# Altium PCB MS-002.23T003升降控制板PCB图 V1.0.PcbDoc (part 1 of 2)
Units mil, origin at the board's own origin, x right, y up, seen from the top; angles counter-clockwise.
Board outline 7874.02 x 3937.01 mil, 2 copper layers (Top Layer, Bottom Layer); 186 components, 113 nets, 593 pads, 363 vias.
Unrouted connection lines stored in the file: 7.
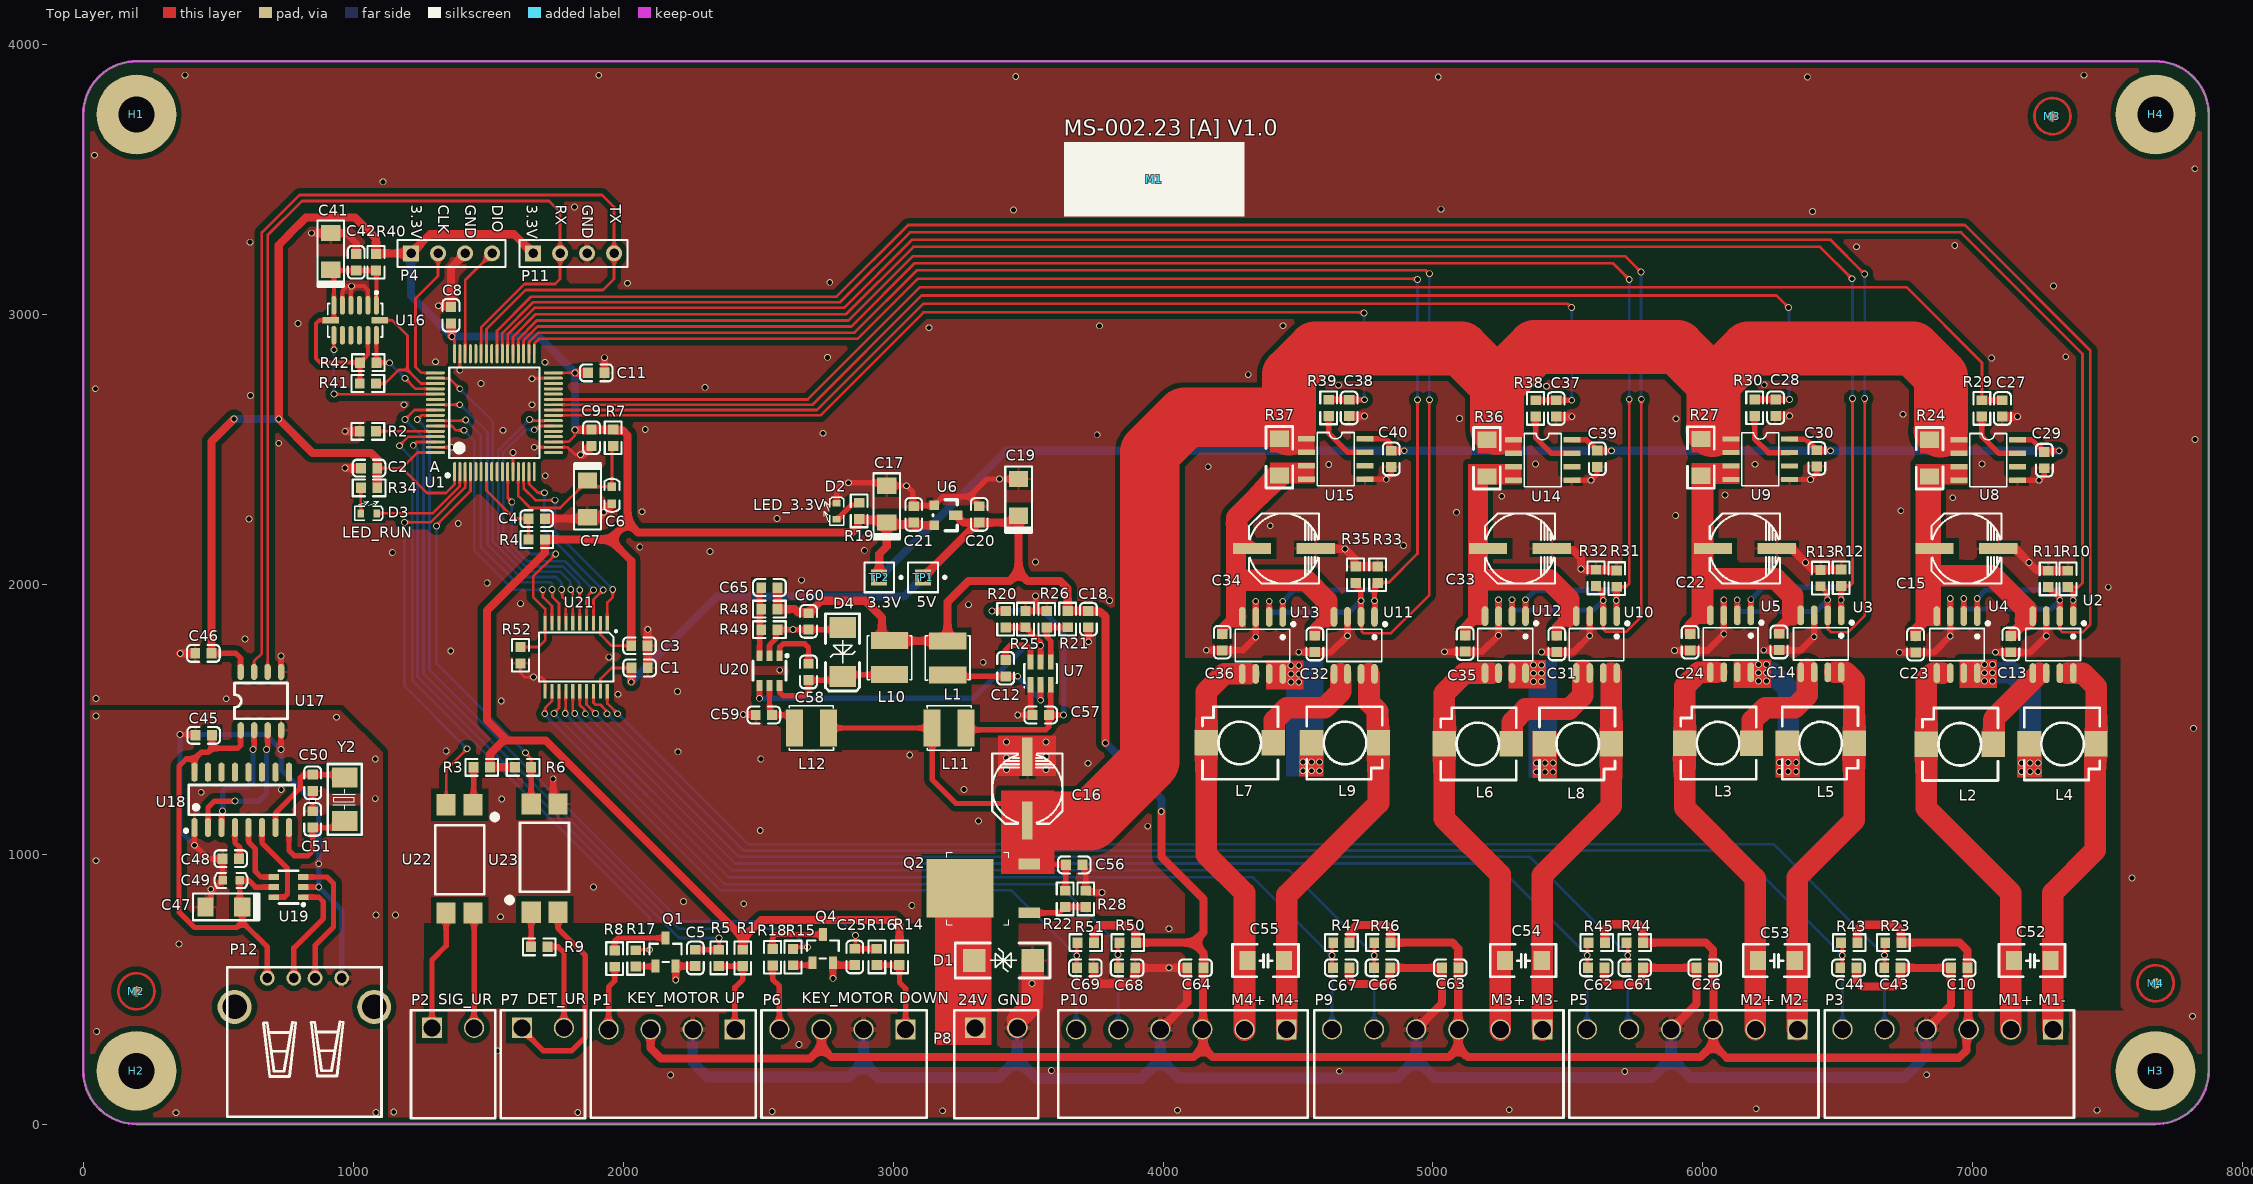
[diagram p0: Top Layer view]
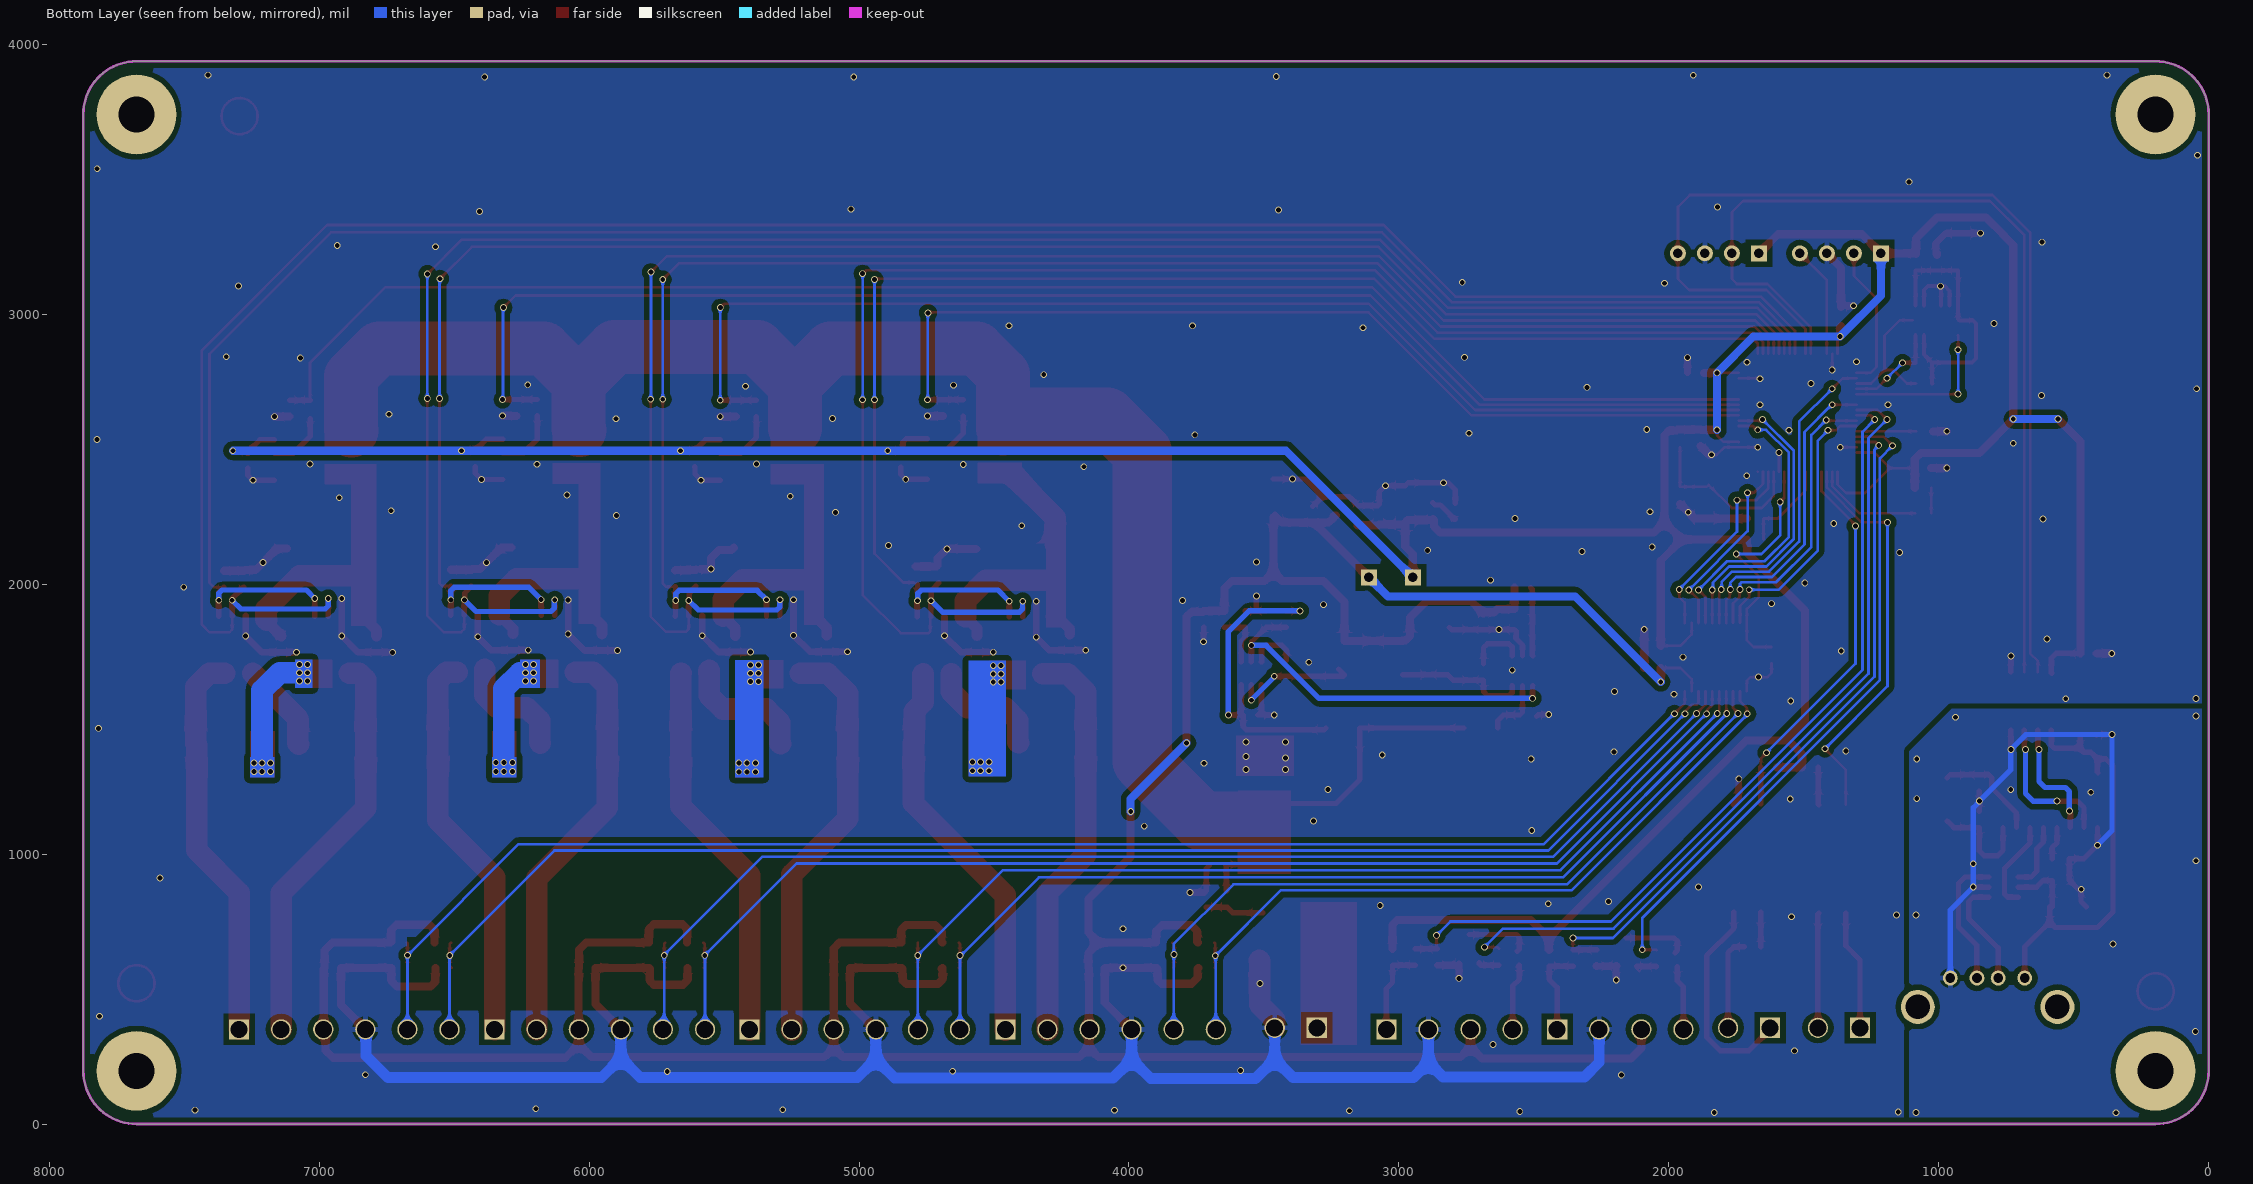
[diagram p1: Bottom Layer view, seen from below]
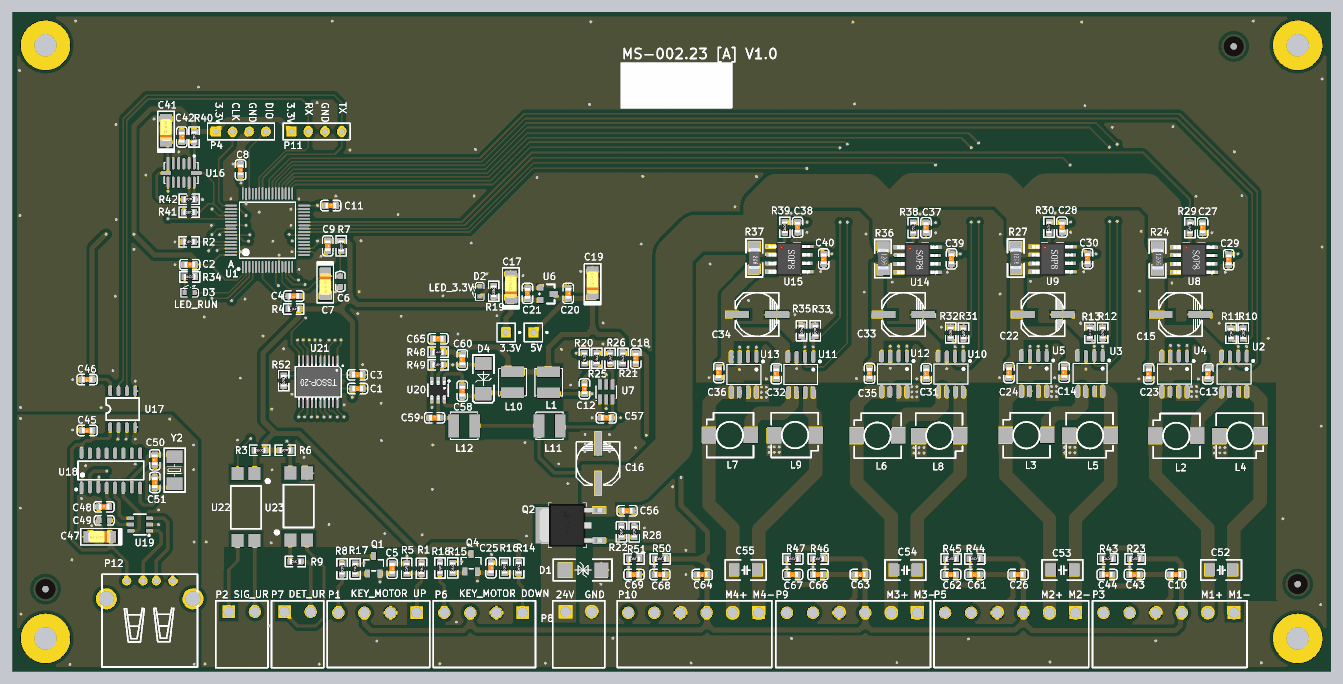
[diagram p3: 3D render of the assembled board from above, using the file's embedded part models]

## Layer stack, top to bottom
Top Solder: solder mask 0.4, Solder Resist, Dk 3.5
Top Layer: signal copper 1.4
Dielectric 1: dielectric 12.6, FR-4, Dk 4.8
Bottom Layer: signal copper 1.4
Bottom Solder: solder mask 0.4, Solder Resist, Dk 3.5

## Board outline
0,196.85 0,3740.16 cw(c196.85,3740.16) 196.85,3937.01 7677.17,3937.01 cw(c7677.17,3740.16) 7874.02,3740.16 7874.02,196.85 cw(c7677.17,196.85) 7677.17,0 196.85,0 cw(c196.85,196.85)

## Design rules (kind name [scope] priority, off if disabled: settings)
Clearance Polygon [InPolygon] p1: gap=20 ignorepadtopadclearanceinfootprint=TRUE
Clearance total [All] p2: gap=8 ignorepadtopadclearanceinfootprint=TRUE
HoleSize [All] p1: absolutevalues=TRUE maxlimit=200 minlimit=0 maxpercent=80.000 minpercent=20.000
HoleToHoleClearance [All] p1: gap=8 allowstackedmicrovias=TRUE
MinimumSolderMaskSliver [All] p1: minsoldermaskwidth=0
PolygonConnect [All] p1: thpad.connectstyle=Relief thpad.reliefconductorwidth=20 thpad.reliefentries=4 thpad.polygonreliefangle="90 Angle" thpad.airgapwidth=10 smdpad.connectstyle=Relief smdpad.reliefconductorwidth=10 smdpad.reliefentries=4 smdpad.polygonreliefangle="90 Angle" smdpad.airgapwidth=10 via.connectstyle=Direct via.reliefconductorwidth=20 via.reliefentries=4 via.polygonreliefangle="90 Angle" via.airgapwidth=10
RoomDefinition MS-002.23.1.0-3-1 [InComponentClass('MS-002.23.1.0-3-1')] p1: confinementstyle=ConfineOut formatcopy=TRUE lockcomponents=FALSE outline 8096.98,2702.5 8986.79,2702.5 8986.79,3007.9 8096.98,3007.9
RoomDefinition MS-002.23.1.0-2 [InComponentClass('MS-002.23.1.0-2')] p2: confinementstyle=ConfineOut formatcopy=TRUE lockcomponents=FALSE outline 8099.11,3023.94 8987.41,3023.94 8987.41,3330.73 8099.11,3330.73
RoomDefinition MS-002.23.1.0-1 [InComponentClass('MS-002.23.1.0-1')] p3: confinementstyle=ConfineOut formatcopy=TRUE lockcomponents=FALSE outline 8099.12,3346.95 8986.42,3346.95 8986.42,3653.44 8099.12,3653.44
RoomDefinition MS-002.23.1.0-4 [InComponentClass('MS-002.23.1.0-4')] p4: confinementstyle=ConfineOut formatcopy=TRUE lockcomponents=FALSE outline 8096.31,2061.7 8990.98,2061.7 8990.98,2368.35 8096.31,2368.35
RoomDefinition MS-002.23.1.0-3-2 [InComponentClass('MS-002.23.1.0-3-2')] p5: confinementstyle=ConfineOut formatcopy=TRUE lockcomponents=FALSE outline 8095.04,2379.03 8988.83,2379.03 8988.83,2685.13 8095.04,2685.13
RoutingVias [All] p1: holewidth=18 width=25 viastyle="Through Hole" minholewidth=12 minwidth=20 maxholewidth=28 maxwidth=50
SilkToSilkClearance [All] p1: silktosilkclearance=0
SilkToSolderMaskClearance [IsPad] p1: minsilkscreentomaskgap=0 clearancetoexposedcopper=TRUE
SolderMaskExpansion VIA [IsVia] p1: expansion=4 istentingtop=TRUE
SolderMaskExpansion [All] p2: expansion=4 istentingtop=FALSE
Width [All] p1: maxlimit=300 minlimit=10 preferedwidth=30 minimp=50.000000 maximp=50.000000 favimp=50.000000
25 further rules are at their usual default settings.

## Classes and differential pairs
component class MS-002.23.1.0-3-2: C10 C26 C31 C32 C33 C34 C35 C36 C37 C38 C39 C40 C54 C55 C66 C67 C68 C69 L6 L7 L8 L9 P9 P10 R31 R32 R33 R35 R36 R37 R38 R39 R46 R47 R50 R51 U10 U11 U12 U13 U14 U15
component class MS-002.23.1.0-4: C1 C2 C3 C4 C6 C7 C8 C9 C11 C41 C42 D3 P4 P11 R2 R4 R7 R34 R40 R41 R42 R52 U1 U16 U21
component class MS-002.23.1.0-2: C5 C25 P1 P2 P6 P7 Q1 Q4 R1 R3 R5 R6 R8 R9 R14 R15 R16 R17 R18 U22 U23
component class MS-002.23.1.0-1: C12 C16 C17 C18 C19 C20 C21 C45 C46 C47 C48 C49 C50 C51 C56 C57 C58 C59 C60 C65 D1 D2 D4 H1 H2 H3 H4 L1 L10 L11 L12 M1 M2 M3 M4 P8 P12 Q2 R19 R20 R21 R22 R25 R26 R28 R48 R49 TP1 TP2 U6 U7 U17 U18 U19 U20 Y2
component class MS-002.23.1.0-3-1: C13 C14 C15 C22 C23 C24 C27 C28 C29 C30 C43 C44 C52 C53 C61 C62 C63 C64 L2 L3 L4 L5 P3 P5 R10 R11 R12 R13 R23 R24 R27 R29 R30 R43 R44 R45 U2 U3 U4 U5 U8 U9

## Components (designator, comment, footprint, x,y, rotation, side; value= is the part's Value field where it differs from the comment)
C1 "0.1uF" LC-0603_C 2060.86,1689.61 r180 top
C2 "0.1uF" LC-0603_C 1058.6,2429.82 r0 top
C3 "0.1uF" LC-0603_C 2060.39,1771.81 r180 top
C4 "0.1uF" LC-0603_C 1679.52,2242.53 r180 top
C5 "0.1uF" LC-0603_C 2267.48,615.06 r270 top
C6 "0.1uF" "0603 cap 1.66mm" 1958.38,2329.11 r270 top
C7 "10uF/16V" CASE-A_3216 1868.19,2315.83 r270 top
C8 "0.1uF" LC-0603_C 1362.24,2996.14 r270 top
C9 "0.1uF" LC-0603_C 1882.92,2542.3 r270 top
C10 "0.1uF" LC-0603_C 6949.74,578.56 r180 top
C11 "0.1uF" LC-0603_C 1900.74,2782.68 r0 top
C12 "0.1uF" LC-0603_C 3416.82,1688.37 r270 top
C13 "0.1uF" LC-0603_C 7140.76,1777.78 r90 top
C14 "0.1uF" LC-0603_C 6282.25,1785.8 r90 top
C15 "100uF/35V" "CAP 6.6×6.6" 6976.56,2131.87 r180 top
C16 "100uF/35V" "CAP 6.6×6.6" 3497.49,1242.26 r270 top
C17 "10uF/16V" CASE-A_3216 2976.63,2296.68 r90 top
C18 "0.1uF" LC-0603_C 3723.64,1870.46 r90 top
C19 "10uF/16V" CASE-A_3216 3465.03,2321.41 r90 top
C20 "0.1uF" LC-0603_C 3319.39,2258.31 r270 top
C21 "0.1uF" LC-0603_C 3076.52,2258.31 r270 top
C22 "100uF/35V" "CAP 6.6×6.6" 6155.34,2131.87 r180 top
C23 "0.1uF" LC-0603_C 6787.9,1777.66 r90 top
C24 "0.1uF" LC-0603_C 5952.81,1784.86 r90 top
C25 "0.1uF" LC-0603_C 2858.04,618.75 r270 top
C26 "0.1uF" LC-0603_C 6006.94,578.56 r180 top
C27 "0.1nF" LC-0603_C 7109.79,2650.88 r90 top value=0.1uF
C28 "0.1nF" LC-0603_C 6269.27,2653.72 r90 top value=0.1uF
C29 "0.1uF" LC-0603_C 7265.05,2459.48 r90 top
C30 "0.1uF" LC-0603_C 6422.07,2465.68 r90 top
C31 "0.1uF" LC-0603_C 5458.95,1778.46 r90 top
C32 "0.1uF" LC-0603_C 4562.73,1778.32 r90 top
C33 "100uF/35V" "CAP 6.6×6.6" 5322.19,2131.87 r180 top
C34 "100uF/35V" "CAP 6.6×6.6" 4448.05,2131.87 r180 top
C35 "0.1uF" LC-0603_C 5119.42,1780.06 r90 top
C36 "0.1uF" LC-0603_C 4219.38,1785.17 r90 top
C37 "0.1nF" LC-0603_C 5456.7,2650.88 r90 top value=0.1uF
C38 "0.1nF" LC-0603_C 4689.58,2652.93 r90 top value=0.1uF
C39 "0.1uF" LC-0603_C 5608.96,2464.75 r90 top
C40 "0.1uF" LC-0603_C 4845.55,2463.84 r90 top
C41 "10uF/16V" CASE-A_3216 916.93,3232.39 r90 top
C42 "0.1uF" LC-0603_C 1010.95,3192.28 r270 top
C43 "1nF" LC-0603_C 6702.32,578.56 r180 top
C44 "1nF" LC-0603_C 6539.11,578.56 r180 top
C45 "0.1uF" LC-0603_C 446.14,1439.82 r180 top
C46 "0.1uF" LC-0603_C 445.11,1743.37 r180 top
C47 "10uF/16V" CASE-A_3216 521.01,804.25 r180 top
C48 "0.1uF" LC-0603_C 546.33,982.85 r0 top
C49 "0.1uF" "0603 cap 1.66mm" 547.51,902.39 r0 top
C50 "22pF" LC-0603_C 849.75,1263.91 r90 top
C51 "22pF" LC-0603_C 849.75,1128.4 r270 top
C52 "0.1uF/50V" 1206_C 7152.4,606.24 r0 top value=0.1uF
C53 "0.1uF/50V" 1206_C 6204.55,606.24 r0 top value=0.1uF
C54 "0.1uF/50V" 1206_C 5267.08,606.24 r0 top value=0.1uF
C55 "0.1uF/50V" 1206_C 4312.67,606.24 r0 top value=0.1uF
C56 "0.1uF/50V" LC-0603_C 3671.36,959.71 r180 top value=0.1uF
C57 "0.1uF/50V" LC-0603_C 3546.77,1515.2 r0 top value=0.1uF
C58 "0.1uF" LC-0603_C 2686.63,1674.68 r270 top
C59 "0.1uF/50V" LC-0603_C 2521.37,1515.2 r0 top value=0.1uF
C60 "0.1uF" LC-0603_C 2686.63,1861.94 r90 top
C61 "1nF" LC-0603_C 5747.88,578.56 r180 top
C62 "1nF" LC-0603_C 5604.81,578.56 r180 top
C63 "0.1uF" LC-0603_C 5064.15,578.56 r180 top
C64 "0.1uF" LC-0603_C 4120.29,578.56 r180 top
C65 "100pF" LC-0603_C 2542.09,1987.39 r0 top value=0.1uF
C66 "1nF" LC-0603_C 4811.47,578.56 r180 top
C67 "1nF" LC-0603_C 4659.98,578.56 r180 top
C68 "1nF" LC-0603_C 3866.74,578.56 r180 top
C69 "1nF" LC-0603_C 3712.4,578.56 r180 top
D1 "SMBJ26CA" SMB 3517.41,605.79 r180 top
D2 "LED_GREEN" 0603_LED 2791.16,2240.68 r90 top
D3 "LED_GREEN" 0603_LED 1028.29,2262.23 r0 top
D4 "SS16" SMA 2812.91,1839.38 r270 top
H1 "Value" THC7R5D3R4-M3-PTH#1 725,3445 r0 top
H2 "Value" THC7R5D3R4-M3-PTH#2 650,3630 r0 top
H3 "Value" THC7R5D3R4-M3-PTH#3 1005,3630 r0 top
H4 "Value" THC7R5D3R4-M3-PTH#4 1360,3630 r0 top
L1 "10uH/20%/1.5A" L_4.0*4.0 3197.79,1722.09 r90 top value=15uH
L2 "10uH/20%/2.5A" IND-SMD_L7.0-W7.0_SMDRS70XX 6951.85,1406.8 r0 top
L3 "10uH/20%/2.5A" IND-SMD_L7.0-W7.0_SMDRS70XX 6056.35,1410.91 r0 top
L4 "10uH/20%/2.5A" IND-SMD_L7.0-W7.0_SMDRS70XX 7332.6,1408.06 r180 top
L5 "10uH/20%/2.5A" IND-SMD_L7.0-W7.0_SMDRS70XX 6436.35,1410.91 r180 top
L6 "10uH/20%/2.5A" IND-SMD_L7.0-W7.0_SMDRS70XX 5166.45,1408.06 r0 top
L7 "10uH/20%/2.5A" IND-SMD_L7.0-W7.0_SMDRS70XX 4284.42,1411.72 r0 top
L8 "10uH/20%/2.5A" IND-SMD_L7.0-W7.0_SMDRS70XX 5536.45,1408.06 r180 top
L9 "10uH/20%/2.5A" IND-SMD_L7.0-W7.0_SMDRS70XX 4674.42,1411.72 r180 top
L10 "10uH/20%/1.5A" L_4.0*4.0 2982.37,1723.04 r90 top value=15uH
L11 "10uH/20%/1.5A" L_4.0*4.0 3203.32,1471.44 r0 top value=15uH
L12 "10uH/20%/1.5A" L_4.0*4.0 2701.99,1462.37 r180 top value=15uH
M1 "粘贴标签位置" Label 3967.62,3500.14 r180 top
M2 "MARK" MARK 196.85,491.73 r0 top
M3 "MARK" MARK 7295.14,3733.77 r0 top
M4 "MARK" MARK 7677.17,521.54 r0 top
P1 "HT396K-3.96-4P" 2EDG4P-3R96-TH-W-L 2179.96,350.41 r180 top
P2 "HT396K-3.96-2P" "Header 2-3.96mm" 1369.8,356.41 r180 top value=W8010211120AB
P3 "HT396K-3.96-6P" "Header 6-3.96mm" 7296.79,350.41 r180 top
P4 "Header_2.54mm" HDR1X4 1214.36,3225.5 r0 top value=W8010411120AB
P5 "HT396K-3.96-6P" "Header 6-3.96mm" 6350.23,350.41 r180 top
P6 "HT396K-3.96-4P" 2EDG4P-3R96-TH-W-L 2812.7,350.41 r180 top
P7 "HT396K-3.96-2P" "Header 2-3.96mm" 1702.77,356.41 r180 top value=W8010211120AB
P8 "HT396K-3.96-2P" "Header 2-3.96mm" 3382.11,356.41 r180 top value=W8010211120AB
P9 "HT396K-3.96-6P" "Header 6-3.96mm" 5405.66,350.41 r180 top
P10 "HT396K-3.96-6P" "Header 6-3.96mm" 4457.94,350.41 r180 top
P11 "Header_2.54mm" HDR1X4 1666.4,3225.5 r0 top value=W8010411120AB
P12 "U-USBAR04P-F002" USB-A-TH_USB-A-F-90 819.18,487.15 r0 top
Q1 "S8050" SOT-23#1 2157.26,637.07 r0 top
Q2 "AOD413A" TO-252 3376.71,872.66 r90 top
Q4 "S8050" SOT-23#1 2739.7,649.7 r0 top
R1 "10k" LC-0603_R 2443.22,615.06 r90 top
R2 "10K" LC-0603_R 1054.46,2566.14 r180 top
R3 "1k" LC-0603_R 1476.41,1321.37 r0 top
R4 "10K" LC-0603_R 1679.52,2165.24 r180 top
R5 "100k" LC-0603_R 2354.13,615.06 r270 top
R6 "10k" LC-0603_R 1629.03,1321.37 r180 top
R7 "10R" LC-0603_R 1962.87,2541.97 r270 top
R8 "1k" LC-0603_R 1968.59,612.8 r270 top
R9 "10k" LC-0603_R 1689.66,656.43 r0 top
R10 "10k" LC-0603_R 7352.47,2019.13 r270 top
R11 "10k" LC-0603_R 7279.17,2019.13 r270 top
R12 "10k" LC-0603_R 6512.33,2023.31 r270 top
R13 "10K" LC-0603_R 6435.86,2022.61 r270 top
R14 "10k" LC-0603_R 3023.63,618.75 r90 top
R15 "1k" LC-0603_R 2629.18,618.37 r90 top
R16 "100k" LC-0603_R 2939.81,618.75 r270 top
R17 "1k" LC-0603_R 2046.09,613.17 r90 top
R18 "1k" LC-0603_R 2553.58,617.73 r270 top
R19 "10k" LC-0603_R 2874.22,2270.99 r270 top
R20 "51k" LC-0603_R 3416.82,1870.28 r90 top
R21 "51k" LC-0603_R 3646.55,1870.46 r90 top
R22 "51k" LC-0603_R 3637.55,833.99 r90 top
R23 "100k" LC-0603_R 6705.98,671.79 r0 top
R24 "NC" 1206_R 6839.74,2534.62 r270 top
R25 "10k" LC-0603_R 3490.56,1870.58 r270 top
R26 "6.8k" LC-0603_R 3569.42,1870.27 r270 top
R27 "NC" 1206_R 5992.85,2537.46 r270 top
R28 "51k" LC-0603_R 3713.74,833.99 r270 top
R29 "100R" LC-0603_R 7033.73,2650.88 r90 top
R30 "100R" LC-0603_R 6191.82,2653.72 r90 top
R31 "10k" LC-0603_R 5680.95,2020.69 r270 top
R32 "10k" LC-0603_R 5604.08,2023.02 r270 top
R33 "10k" LC-0603_R 4795.22,2035.19 r270 top
R34 "1k" LC-0603_R 1058.6,2356.84 r0 top
R35 "10k" LC-0603_R 4713.41,2035.19 r270 top
R36 "NC" 1206_R 5199.62,2534.62 r270 top
R37 "NC" 1206_R 4431.03,2538.27 r270 top
R38 "100R" LC-0603_R 5380.22,2650.88 r90 top
R39 "100R" LC-0603_R 4613.82,2652.93 r90 top
R40 "10R" LC-0603_R 1084.51,3192.28 r270 top
R41 "10k" LC-0603_R 1054.46,2743.31 r180 top
R42 "10k" LC-0603_R 1055.64,2820.35 r180 top
R43 "100k" LC-0603_R 6542.04,671.79 r0 top
R44 "100k" LC-0603_R 5748.06,671.79 r0 top
R45 "100k" LC-0603_R 5606.77,671.79 r0 top
R46 "100k" LC-0603_R 4813.01,671.79 r0 top
R47 "100k" LC-0603_R 4661.09,671.79 r0 top
R48 "27k" LC-0603_R 2542.09,1907.37 r0 top
R49 "5.1k" LC-0603_R 2542.09,1831.62 r180 top
R50 "100k" LC-0603_R 3869.04,671.79 r0 top
R51 "100k" LC-0603_R 3713.74,671.79 r0 top
R52 "10k" LC-0603_R 1619.6,1736.82 r270 top
TP1 "5V" PIN1 3111.02,2024.98 r270 top
TP2 "3.3V" PIN1 2948.63,2024.98 r270 top
U1 "STM32F103RCT6" LC-LQFP-64_10x10x05P 1523.01,2635.04 r0 top locked
U2 "RZ7899" rz7899 7297.41,1775.92 r180 top
U3 "RZ7899" rz7899 6437.33,1778.77 r180 top
U4 "RZ7899" rz7899 6941.54,1775.92 r180 top
U5 "RZ7899" rz7899 6102.79,1778.77 r180 top
U6 "ME6211A33M3G" SOT-23#2 3152.68,2292.75 r270 top
U7 "TPS54202DDCR" SOT23-6 3546.77,1669.34 r0 top
U8 "CC6920BSO-10A" SOP-8 7057.32,2459.62 r0 top
U9 "CC6920BSO-10A" SOP-8 6212.3,2462.46 r0 top
U10 "RZ7899" rz7899 5605.95,1775.92 r180 top
U11 "RZ7899" rz7899 4708.5,1773.09 r180 top
U12 "RZ7899" rz7899 5267.96,1775.92 r180 top
U13 "RZ7899" rz7899 4368.7,1773.09 r180 top
U14 "CC6920BSO-10A" SOP-8 5406.13,2459.62 r0 top
U15 "CC6920BSO-10A" SOP-8 4639.56,2463.27 r0 top
U16 "ADXL345BCCZ-RL7" LGA-14_L5.0-W3.0-P0.80-BL 1007.21,2977.47 r180 top
U17 "NSi8121N1" SOIC-8_L5.0-W4.0-P1.27-LS6.0-BL 657.94,1566.65 r0 top
U18 "CH340G" LC-SOIC-16_150mil 587.04,1200.91 r0 top
U19 "USBLC6-2SC6" SOT-23-6_L2.9-W1.6-P0.95-LS2.8-BR 760.45,877.66 r0 top
U20 "ME3116AM6G" SOT-23-6 2542.09,1679.77 r270 top
U21 "TXB0108PWR" TSSOP-20 1826.12,1729.7 r270 top
U22 "EL817" SOP-4_L6.5-W4.6-P2.54-LS10.2-TL 1394.32,982.19 r270 top
U23 "EL817" SOP-4_L6.5-W4.6-P2.54-LS10.2-TL 1709.34,984.88 r90 top
Y2 "12MHz" OSC-SMD_12MHz 968.33,1202.67 r270 top